# Altium PCB ALCT_MEZ_LX100.PcbDoc (part 6 of 10)
Units mil, origin at the board's own origin, x right, y up, seen from the top; angles counter-clockwise.
Board outline 4100 x 5874.84 mil, 12 copper layers (Top Layer, GND, Mid-Layer 2, +3V3, Mid-Layer 4, +1V2, Mid-Layer 6, +1V8, Mid-Layer 8, +2V5, Mid-Layer 10, Bottom Layer), stack 64.7 mil thick; 544 components, 646 nets, 3089 pads, 1750 vias.
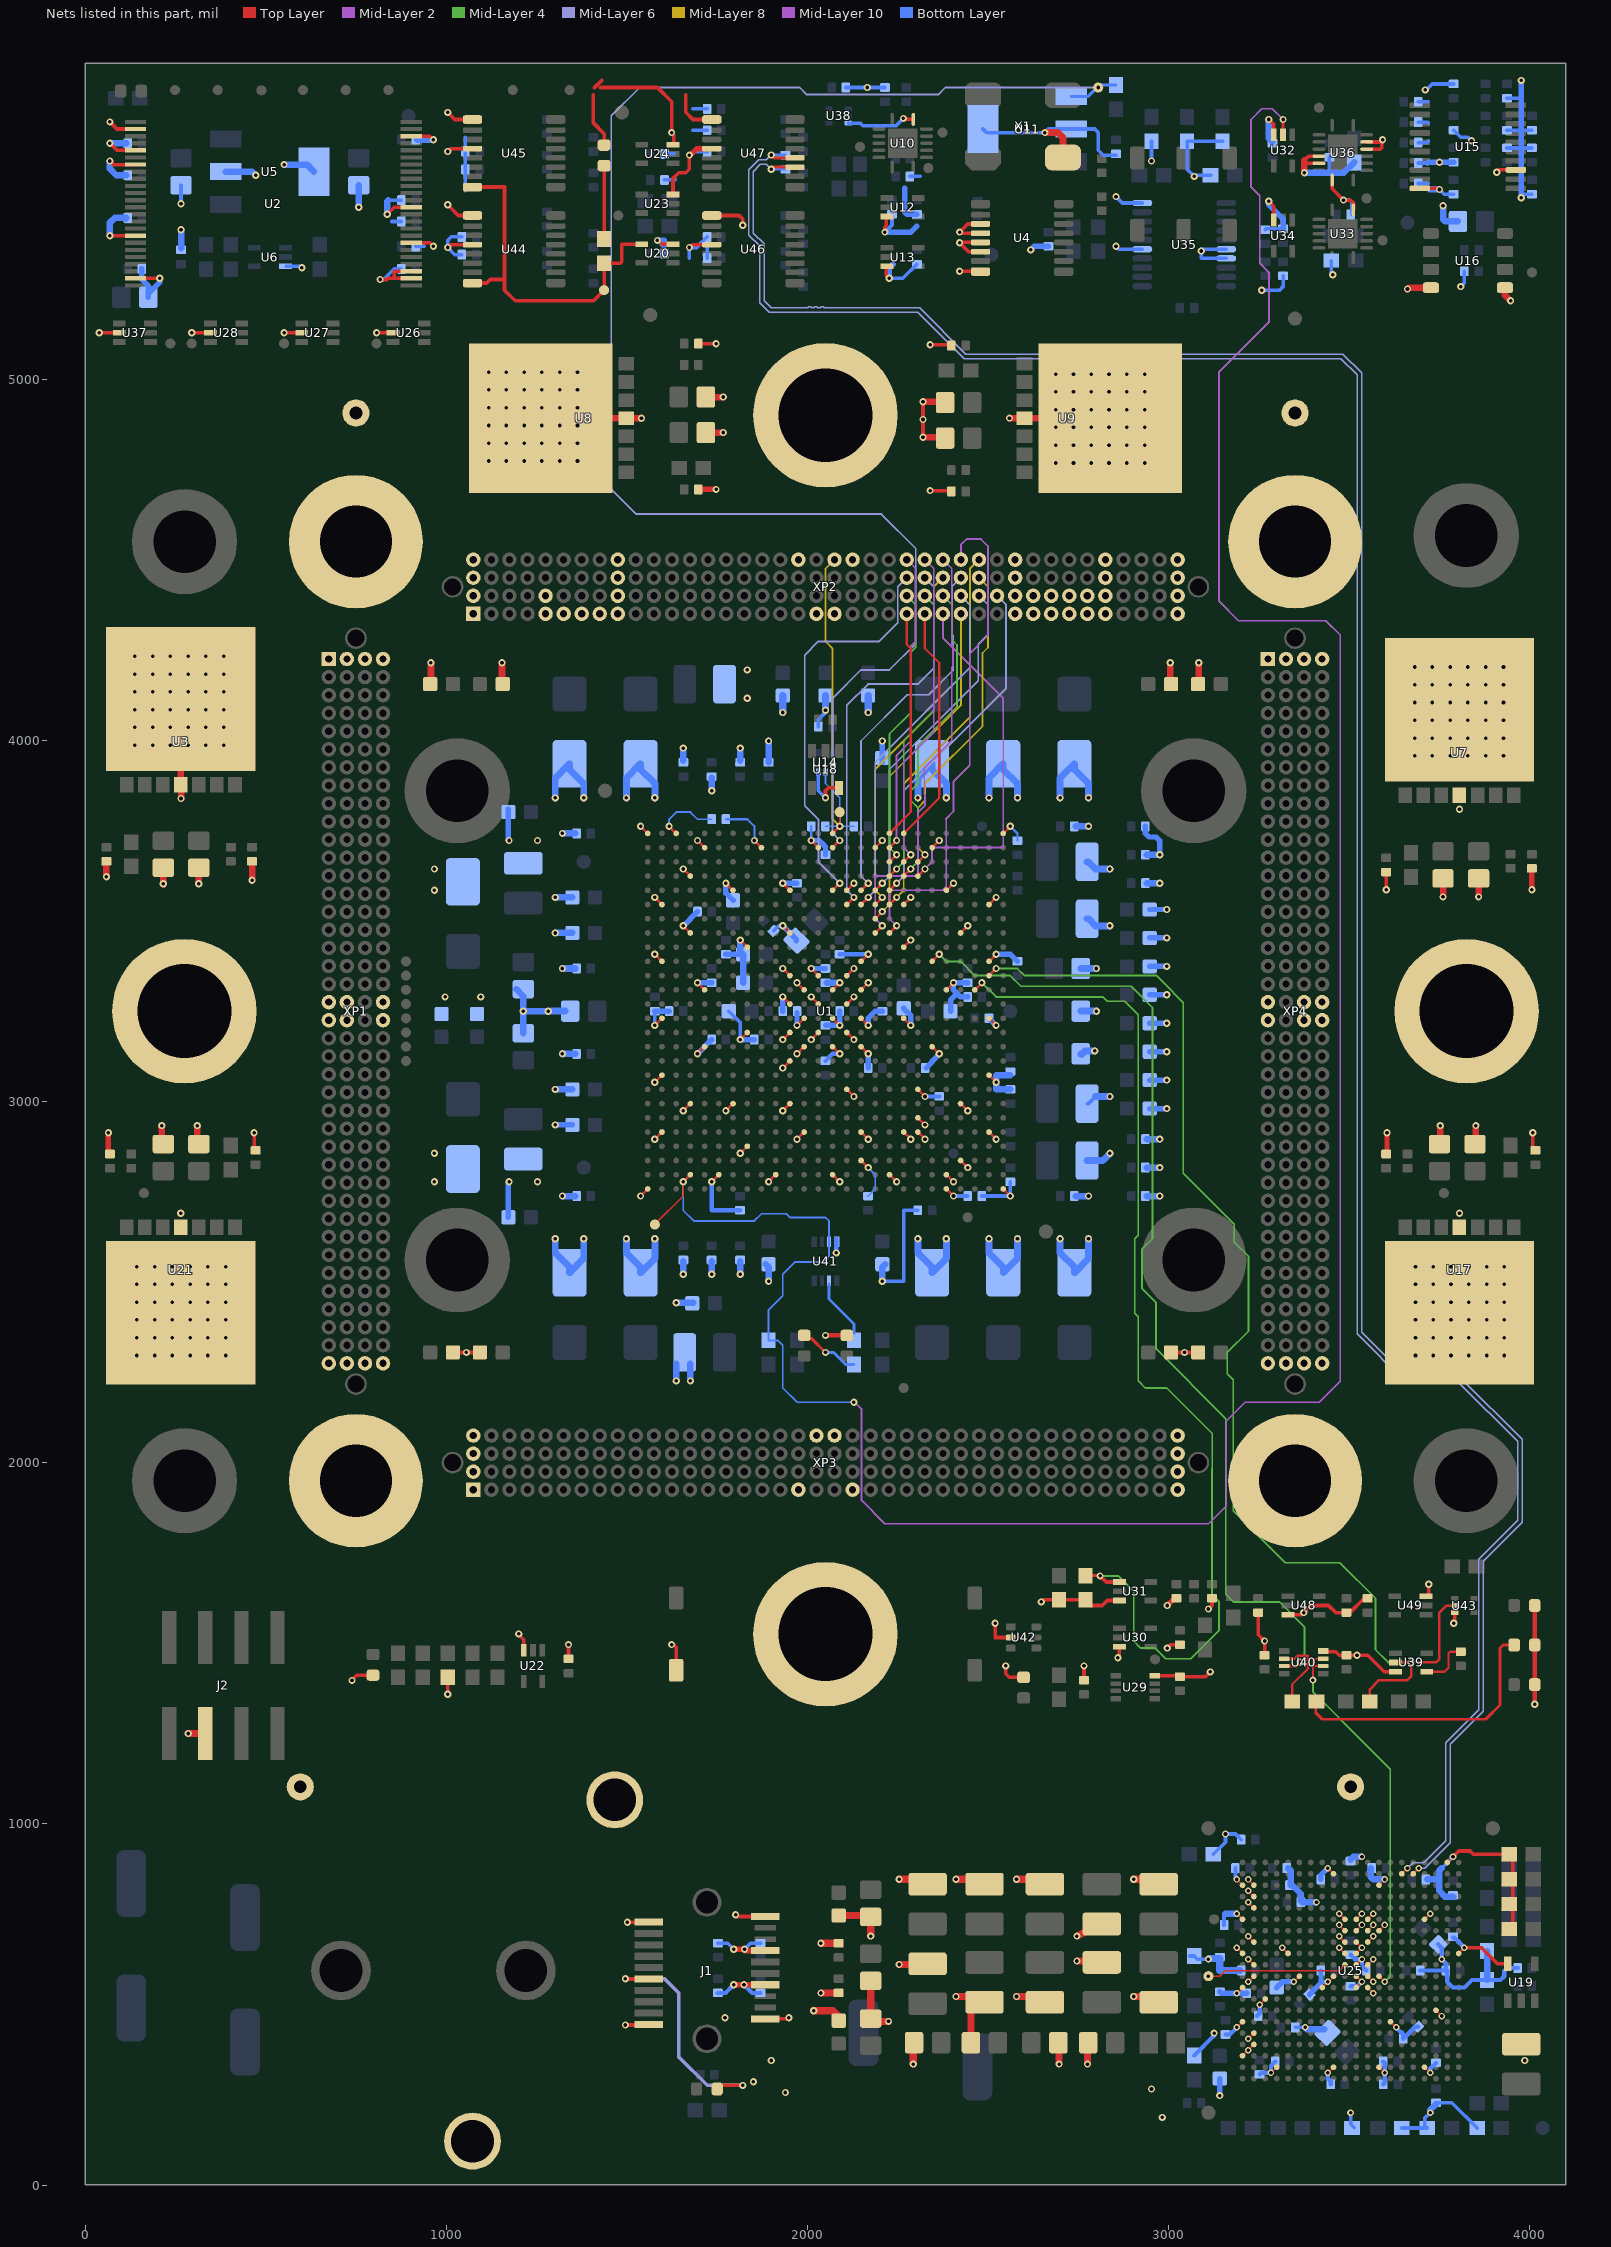
[diagram p16: the nets of this part, all layers, seen from the top]

## Via types
v1: diameter 20, hole 10, Top Layer to Bottom Layer, tented both sides, 1478 vias
v2: diameter 18, hole 10, Top Layer to Bottom Layer, tented both sides, 219 vias
v3: diameter 20, hole 10, Top Layer to Bottom Layer, 38 vias
v4: diameter 40, hole 20, Top Layer to Bottom Layer, 8 vias
v5: diameter 19, hole 10, Top Layer to Bottom Layer, tented both sides, 5 vias
v6: diameter 19, hole 10, Top Layer to Bottom Layer, 1 vias
v7: diameter 18, hole 10, Top Layer to Bottom Layer, 1 vias

## Nets (pads, with @x,y where several pads share a name; then routed paths per layer and width w, separated by ;. In a path a pad name is that pad's centre, name@x,y a point inside that pad or via, vN(x,y) a via of type N, cw(c..) or ccw(c..) an arc to the next point about the centre after c; other vN are vias at no path point) (continued)
gbt_sel_gbt_x\p\r\m\_n: R125.2 U25.B15 U47.4 | length 6875.6
  Top Layer w5: U25.B15@3645.67,861.61 v2(3661.42,877.36)
  Top Layer w8: v1(1899.61,5620.28) 1907.48,5612.4 U47.4@1965.55,5612.4
  Mid-Layer 6 w3.5: v1(1899.61,5620.28) 1886.17,5606.84 1864.9,5606.84 1837.89,5579.83 1837.89,5398.37 1867.42,5368.84 1867.42,5211.56 1894.43,5184.55 2305.81,5184.55 2433.76,5056.59 3477.07,5056.59 3521.97,5011.69 3521.97,2356.22 3656.44,2221.75 3803.82,2221.75 3966.48,2059.09 3966.48,1840.49 3858.27,1732.28 3858.27,1316.34 3767.03,1225.1 3767.03,953.41 3706.23,892.61 3676.67,892.61 v2(3661.42,877.36)
  Bottom Layer w8: v1(1899.61,5620.28) R125.2@1938.98,5620.28
gbt_sel_gbt_x\p\r\m\_p: R125.1 U25.B16 U47.3 | length 6857.8
  Top Layer w5: U25.B16@3677.17,861.61 v2(3692.91,877.36)
  Top Layer w8: v1(1899.61,5580.91) 1905.51,5586.81 U47.3@1965.55,5586.81
  Mid-Layer 6 w3.5: v1(1899.61,5580.91) 1886.17,5594.34 1870.08,5594.34 1850.39,5574.66 1850.39,5403.54 1879.92,5374.02 1879.92,5216.73 1899.61,5197.05 1998.03,5197.05 2002.28,5197.05 2002.28,5200.33 2010.78,5200.33 2010.78,5197.05 2019.28,5197.05 2019.28,5200.33 2027.78,5200.33 2027.78,5197.05 2036.28,5197.05 2036.28,5200.33 2044.78,5200.33 2044.78,5197.05 2175.2,5197.05 2310.98,5197.05 2438.94,5069.09 3482.24,5069.09 3534.47,5016.87 3534.47,2361.4 3661.61,2234.25 3809,2234.25 3978.98,2064.27 3978.98,1835.31 3870.77,1727.11 3870.77,1311.16 3779.53,1219.92 3779.53,948.23 3708.66,877.36 v2(3692.91,877.36)
  Bottom Layer w8: v1(1899.61,5580.91) R125.1@1938.98,5580.91
gbt_testoutput: TOUT.1 U25.K10 | length 391
  Top Layer w4: v1(3110.24,578.15) 3141.73,578.15 3157.48,593.9 3472.44,593.9 U25.K10@3488.19,609.65
gbt_tx_datavalid: R28.1 U1.M24 U31.1 | length 2977.2
  Top Layer w7: U1.M24@2463.39,3309.05 v1(2483.07,3328.74)
  Top Layer w8: R28.1@2769.69,1687.2 v1@2809.53,1687.2
  Top Layer w10: v1@2809.53,1687.2 v1(2810.32,1686.42) 2827.24,1669.49 U31.1@2862.2,1669.49 ; U31.1@2862.2,1672.64 U31.1@2863.46,1672.64
  Mid-Layer 4 w5: v1(2483.07,3328.74) 2522.44,3289.37 2817.85,3289.37 2829.95,3277.28 2879.02,3277.28 2916.14,3240.16 2916.14,2629.92 2906.3,2620.08 2906.3,2413.39 2916.14,2403.54 2916.14,2226.38 2935.83,2206.69 2994.88,2206.69 3121,2080.57 3121,1984.05 3120.08,1983.13 3120.08,1634.06 3139.76,1614.37 3139.76,1535.63 3061.02,1456.89 2992.13,1456.89 2962.6,1486.42 2923.23,1486.42 2903.54,1506.1 2903.54,1643.9 2861.02,1686.42 v1(2810.32,1686.42)
gbt_txrdy: U1.K21 U40.7 | length 2828
  Top Layer w7: U1.K21@2345.28,3387.79 v1(2364.96,3407.48)
  Top Layer w8: U40.7@3311.02,1437.2 3354.33,1437.2 v1(3364.17,1447.05)
  Mid-Layer 4 w5: v1(2364.96,3407.48) 2384.83,3387.61 2424.2,3387.61 2463.39,3348.43 2561.81,3348.43 2591.34,3318.9 2896.46,3318.9 2955.51,3259.84 2955.51,2620.08 2925.98,2590.55 2925.98,2482.28 2965.35,2442.91 2965.35,2314.96 3158.38,2121.94 3158.38,1635.13 3179.13,1614.37 3307.09,1614.37 3375.98,1545.47 3375.98,1458.86 v1(3364.17,1447.05)
gbt_txrdy_anode: D7.A R109.1 | length 755.5
  Top Layer w8: R109.1@3407.48,1328.94 3407.48,1307.28 3425.2,1289.57 3877.95,1289.57 3917.26,1328.88 3917.26,1486.22 3926.08,1495.04 D7.A@3956.69,1495.04
gbt_txrdy_led: R109.2 U40.6 | length 236.6
  Top Layer w6: U40.6@3319.88,1456.89 3347.85,1456.89 3356.51,1465.55 3385.04,1465.55 3385.04,1428.55 3342.52,1386.02 R109.2@3342.52,1338.78
  Top Layer w8: U40.6@3311.02,1456.89 U40.6@3319.88,1456.89 ; R109.2@3340.55,1328.94 3340.55,1340.75 R109.2@3342.52,1338.78
gbt_txrdy_lv: U25.L13 U40.2 U40.3 | length 1069.3
  Top Layer w5: v1(3399.61,1397.83) 3399.61,1437.01 ; U40.2@3428.15,1437.2 3399.8,1437.2 3399.61,1437.01 ; U40.3@3428.15,1456.89 3399.61,1456.89 3399.61,1437.01 ; U25.L13@3582.68,578.15 v2(3598.43,562.4)
  Mid-Layer 4 w4: 3475,1290.16 3614.17,1150.98 3614.17,578.15 v2(3598.43,562.4)
  Mid-Layer 4 w5: v1(3399.61,1397.83) 3399.61,1365.55 3475,1290.16
gbt_widebus: R99.1 U39.4 | length 140.4
  Top Layer w6: U39.4@3714.51,1421.26 3763.72,1421.26 3774.97,1432.51 3774.97,1471.88 3779.47,1476.38 R99.1@3809,1476.38
gbt_widebus_3v3: R98.2 U1.L25 U39.2 U43.2 | length 3354.7
  Top Layer w7: U1.L25@2502.76,3348.42 v1(2522.44,3368.11) ; R98.2@3557.03,1338.58 3557.03,1372.05 3582.62,1397.64 3661.36,1397.64 3671.2,1407.48 v1(3671.2,1446.85) ; U39.2@3627.89,1446.85 v1(3671.2,1446.85) ; U43.2@3792.26,1604.33 3769.63,1604.33 3749.94,1584.65 3749.94,1456.69 3740.1,1446.85 v1(3671.2,1446.85)
  Mid-Layer 4 w5: v1(2522.44,3368.11) 2581.5,3368.11 2601.18,3348.43 2967.19,3348.43 3012.88,3302.73 3012.88,3300.9 3040.65,3273.13 3040.65,2800.69 3181.89,2659.45 3181.89,2610.24 3221.26,2570.87 3221.26,2364.17 3162.2,2305.12 3162.2,2246.06 3179.13,2229.13 3179.13,1866.85 3323.35,1722.64 3474.41,1722.64 3572.83,1624.21 3572.83,1481.79 3607.78,1446.85 v1(3671.2,1446.85)
GND: C1.2 C2.2 C3.2 C4.2 C5.2 C6.2 C7.2 C8.2 C9.2 C10.2 C11.2 C12.2 C13.2 C14.2 C15.2 C16.2 C17.2 C18.2 C19.2 C20.2 C21.2 C22.2 C23.2 C24.2 C25.2 C26.2 C27.2 C28.2 C29.2 C30.2 C31.2 C32.2 C33.2 C34.2 C35.2 C36.2 C37.2 C38.2 C39.2 C40.2 C41.2 C42.2 C43.2 C44.2 C45.2 C46.2 C48.2 C49.2 C50.2 C51.2 C52.2 C53.2 C54.2 C55.2 C56.2 C57.2 C58.2 C59.2 C61.2 C62.2 C63.2 C64.2 C65.2 C66.2 C67.2 C68.2 C69.2 C70.2 C71.2 C72.2 C73.2 C74.2 C75.2 C76.2 C77.2 C78.2 C79.2 C80.2 C81.2 C82.2 C83.2 C84.2 C85.2 C86.2 C87.2 C88.2 C89.2 C90.2 C91.2 C92.2 C93.2 C94.2 C95.2 C96.2 C97.2 C98.2 C99.2 C100.2 C101.2 C102.2 C103.2 C104.2 C105.2 C106.2 C107.2 C108.2 C109.2 C110.2 C111.2 C112.2 C113.2 C114.2 C115.2 C116.2 C117.2 C118.2 C119.2 C120.2 C121.2 C122.2 C123.2 C124.2 C125.2 C126.2 C127.2 C128.2 C129.2 C130.2 C131.2 C132.2 C133.2 C134.2 C135.2 C136.2 C137.2 C138.2 C139.2 C140.2 C141.2 C142.2 C143.2 C144.2 C145.2 C146.2 C147.2 C148.2 C149.2 C150.2 C151.2 C152.2 C153.2 C154.2 C155.2 C156.2 C157.2 C158.2 C159.2 C160.2 C161.2 C162.2 C163.2 C164.2 C165.2 C166.2 C167.2 C168.2 C169.2 C170.2 C171.2 C172.2 C175.2 C176.2 C201.2 C202.2 C203.2 C204.2 C205.2 C211.2 C212.2 C213.2 C214.2 C215.2 C221.2 C222.2 C223.2 C224.2 C225.2 C231.2 C232.2 C233.2 C234.2 C235.2 C241.2 C242.2 C243.2 C244.2 C245.2 C251.2 C252.2 C253.2 C254.2 C255.2 C261.2 C262.2 C263.2 C264.2 C265.2 C266.2 C267.2 C271.2 C272.2 C273.2 C274.2 C275.2 C276.2 C277.2 C301.2 C302.2 C311.2 C312.2 C313.2 C321.2 C322.2 C331.2 C332.2 C341.2 C342.2 C351.2 C361.2 C362.2 C363.2 C364.2 C365.2 C371.2 C372.2 C375.2 C401.2 C411.2 C421.2 C431.2 C441.2 C451.2 C461.2 C471.2 CT1.2 CT2.2 CT3.2 CT4.2 CT5.2 CT6.2 CT7.2 CT8.2 CT9.2 CT10.2 CT11.2 CT12.2 D1.K D2.K D4.K D5.K D6.K D7.K D9.K H1.1 H2.1 H3.1 H4.1 H12.1 H31.1 H34.1 H42.1 J1.1 J1.10 J1.11 J1.14 J1.17 J1.20 J2.3 J7.2 M2.1 M2.2 R5.2 R6.2 R9.2 R12.2 R15.2 R16.2 R21.2 R22.2 R23.2 R27.2 R28.2 R36.2 R38.2 R39.2 R40.2 R42.2 R43.2 R44.1 R48.1 R49.1 R50.1 R51.2 R53.1 R58.1 R60.1 R72.1 R73.2 R74.2 R75.2 R76.2 R77.1 R78.1 R79.2 R85.2 R86.2 R88.2 R90.2 R92.2 R95.2 R103.2 R106.2 R108.2 TPG1.1 TPG2.1 TPG3.1 TPG4.1 U1.A1 U1.A26 U1.AA20 U1.AB2 U1.AB12 U1.AB16 U1.AB19 U1.AB20 U1.AB25 U1.AC8 U1.AD23 U1.AE6 U1.AE10 U1.AE14 U1.AE18 U1.AE22 U1.AF1 U1.AF26 U1.B5 U1.B9 U1.B13 U1.B17 U1.B21 U1.D4 U1.E7 U1.E11 U1.E15 U1.E22 U1.F2 U1.F19 U1.F25 U1.H4 U1.H11 U1.H23 U1.J8 U1.J19 U1.K2 U1.K16 U1.K25 U1.L11 U1.L13 U1.L15 U1.M5 U1.M12 U1.M14 U1.M16 U1.M22 U1.N11 U1.N13 U1.N15 U1.P2 U1.P12 U1.P14 U1.P16 U1.P19 U1.P25 U1.R8 U1.R11 U1.R13 U1.R15 U1.T5 U1.T12 U1.T14 U1.T16 U1.T21 U1.U11 U1.V2 U1.V25 U1.W15 U1.W20 U1.Y4 U1.Y7 U1.Y11 U1.Y23 U2.2 U2.5 U2.7 U2.17 U2.23 U2.26 U2.27 U2.31 U2.36 U2.46 U3.4 U3.8 U4.3 U4.4 U4.5 U4.6 U4.8 U5.1 U5.4 U6.3 U7.4 U7.8 U8.4 U8.8 U9.4 U9.8 U10.7 U11.1 U11.4 U12.3 U13.3 U14.3 U15.10 U15.13 U16.4 U16.5 U17.4 U17.8 U18.5 U19.5 U20.3 U21.4 U21.8 U22.3 U23.3 U24.3 U25.A19 U25.B9 U25.C1 U25.C2 U25.C13 U25.D2 U25.E2 U25.F1 U25.F10 U25.F11 U25.F12 U25.F17 U25.G10 U25.G11 U25.G12 U25.G13 U25.H2 U25.H10 U25.H11 U25.H12 U25.J1 U25.J5 U25.J10 U25.J11 U25.J20 U25.K2 U25.K11 U25.K12 U25.L2 U25.L6 U25.L9 U25.L11 U25.L12 U25.M1 U25.M8 U25.M11 U25.M12 U25.N3 U25.P18 U25.R1 U25.R14 U25.T2 U25.U2 U25.V1 U25.W4 U25.W9 U25.W13 U25.W17 U26.2 U27.2 U28.2 U29.4 U30.3 U31.3 U32.3 U33.7 U34.3 U35.6 U35.7 U35.15 U35.20 U36.5 U36.6 U36.8 U36.13 U36.14 U37.2 U38.3 U39.3 U40.4 U41.4 U42.2 U43.3 U44.9 U44.12 U45.9 U45.12 U46.9 U46.12 U47.9 U47.12 U48.3 U49.3 X1.2 XP1.A1 XP1.A20 XP1.A21 XP1.A40 XP1.B1 XP1.B20 XP1.B21 XP1.B40 XP1.C1 XP1.C40 XP1.D1 XP1.D20 XP1.D21 XP1.D40 XP2.A1 XP2.A5 XP2.A6 XP2.A7 XP2.A8 XP2.A9 XP2.A20 XP2.A21 XP2.A31 XP2.A32 XP2.A33 XP2.A34 XP2.A35 XP2.A36 XP2.A40 XP2.B1 XP2.B5 XP2.B9 XP2.B31 XP2.B32 XP2.B33 XP2.B34 XP2.B35 XP2.B36 XP2.B40 XP2.C1 XP2.C9 XP2.C31 XP2.C36 XP2.C40 XP2.D1 XP2.D9 XP2.D19 XP2.D22 XP2.D31 XP2.D36 XP2.D40 XP3.A1 XP3.A19 XP3.A22 XP3.A40 XP3.B1 XP3.B40 XP3.C1 XP3.C40 XP3.D1 XP3.D20 XP3.D21 XP3.D40 XP4.A1 XP4.A20 XP4.A21 XP4.A40 XP4.B1 XP4.B40 XP4.C1 XP4.C20 XP4.C21 XP4.C40 XP4.D1 XP4.D20 XP4.D21 XP4.D40 | length 29432
  Top Layer w5: v2(3188.98,436.42) U25.R1@3204.72,452.17 ; v2(3188.98,530.91) U25.M1@3204.72,546.65 ; v2(3188.98,656.89) U25.J1@3204.72,641.14 ; v2(3188.98,751.38) U25.F1@3204.72,735.63 ; v2(3188.98,845.87) U25.C1@3204.72,830.12 ; U25.V1@3204.72,357.68 v2(3220.47,373.43) U25.U2@3236.22,389.17 ; v2(3220.47,404.92) U25.T2@3236.22,420.67 ; v2(3220.47,562.4) U25.L2@3236.22,578.15 ; v2(3220.47,625.39) U25.K2@3236.22,609.65 ; v2(3220.47,688.39) U25.H2@3236.22,672.64 ; v2(3220.47,782.87) U25.E2@3236.22,767.13 ; v2(3220.47,814.37) U25.D2@3236.22,798.62 ; v2(3220.47,845.87) U25.C2@3236.22,830.12 ; v2(3251.97,499.41) U25.N3@3267.72,515.16 ; v2(3283.46,310.43) U25.W4@3299.21,326.18 ; v2(3314.96,656.89) U25.J5@3330.71,641.14 ; v2(3346.46,562.4) U25.L6@3362.2,578.15 ; U25.M8@3425.2,546.65 U25.L9@3456.69,578.15 ; v2(3440.95,310.43) U25.W9@3456.69,326.18 ; v2(3440.95,877.36) U25.B9@3456.69,861.61 ; v2(3472.44,656.89) U25.J10@3488.19,641.14 ; v2(3472.44,688.39) U25.H10@3488.19,672.64 ; v2(3472.44,719.88) U25.G10@3488.19,704.13 ; v2(3472.44,751.38) U25.F10@3488.19,735.63 ; U25.M11@3519.69,546.65 v2(3535.43,562.4) U25.L11@3519.69,578.15 ; U25.K11@3519.69,609.65 v2(3535.43,625.39) ; U25.J11@3519.69,641.14 v2(3535.43,656.89) U25.H11@3519.69,672.64 ; U25.G11@3519.69,704.13 v2(3535.43,719.88) ; U25.F11@3519.69,735.63 v2(3535.43,751.38) ; U25.M12@3551.18,546.65 v2(3566.93,530.91) ; U25.L12@3551.18,578.15 v2(3566.93,562.4) ; U25.K12@3551.18,609.65 v2(3566.93,625.39) ; U25.H12@3551.18,672.64 v2(3566.93,688.39) ; U25.G12@3551.18,704.13 v2(3566.93,719.88) ; U25.F12@3551.18,735.63 v2(3566.93,751.38) ; U25.W13@3582.68,326.18 v2(3598.43,310.43) ; U25.G13@3582.68,704.13 v2(3598.43,719.88) ; U25.C13@3582.68,830.12 v2(3598.43,845.87) ; U25.R14@3614.17,452.17 v2(3629.92,436.42) ; U25.W17@3708.66,326.18 v2(3724.41,310.43) ; U25.F17@3708.66,735.63 v2(3724.41,751.38) ; U25.P18@3740.16,483.66 v2(3755.91,467.91) ; U25.J20@3803.15,641.14 v2(3818.9,656.89) ; U25.A19@3771.65,893.11 v2(3787.4,908.86) U25.A19@3771.65,893.11
  Top Layer w7: v1(1538.19,2738.19) U1.AF1@1557.87,2757.87 ; v1(1538.19,3761.81) U1.A1@1557.87,3742.13 ; v1(1577.56,2895.67) U1.AB2@1597.24,2915.35 ; v1(1577.56,3053.15) U1.V2@1597.24,3072.83 ; v1(1577.56,3210.63) U1.P2@1597.24,3230.31 ; v1(1577.56,3407.48) U1.K2@1597.24,3387.79 ; v1(1577.56,3564.96) U1.F2@1597.24,3545.28 ; v1(1656.3,2974.41) U1.Y4@1675.98,2994.09 ; v1(1656.3,3486.22) U1.H4@1675.98,3466.54 ; v1(1656.3,3643.7) U1.D4@1675.98,3624.02 ; v1(1695.67,3131.89) U1.T5@1715.35,3151.57 ; v1(1695.67,3328.74) U1.M5@1715.35,3309.05 ; v1(1695.67,3722.44) U1.B5@1715.35,3702.76 ; v1(1735.04,2777.56) U1.AE6@1754.72,2797.24 ; v1(1774.41,2974.41) U1.Y7@1794.09,2994.09 ; v1(1774.41,3604.33) U1.E7@1794.09,3584.65 ; v1(1813.78,2856.3) U1.AC8@1833.46,2875.98 ; v1(1813.78,3171.26) U1.R8@1833.46,3190.94 ; v1(1813.78,3446.85) U1.J8@1833.46,3427.16 ; v1(1853.15,3722.44) U1.B9@1872.83,3702.76 ; v1(1892.52,2777.56) U1.AE10@1912.2,2797.24 ; v1(1931.89,2974.41) U1.Y11@1951.57,2994.09 ; v1(1931.89,3092.52) U1.U11@1951.57,3112.2 ; v1(1931.89,3171.26) U1.R11@1951.57,3190.94 ; v1(1931.89,3289.37) U1.N11@1951.57,3269.68 ; v1(1931.89,3368.11) U1.L11@1951.57,3348.42 ; v1(1931.89,3486.22) U1.H11@1951.57,3466.54 ; v1(1931.89,3604.33) U1.E11@1951.57,3584.65 ; v1(1971.26,2895.67) U1.AB12@1990.94,2915.35 ; v1(1971.26,3131.89) U1.T12@1990.94,3151.57 ; v1(1971.26,3210.63) U1.P12@1990.94,3230.31 ; v1(1971.26,3328.74) U1.M12@1990.94,3309.05 ; v1(2010.63,3171.26) U1.R13@2030.31,3190.94 ; v1(2010.63,3289.37) U1.N13@2030.31,3269.68 ; v1(2010.63,3368.11) U1.L13@2030.31,3348.42 ; v1(2010.63,3722.44) U1.B13@2030.31,3702.76 ; U1.AE14@2069.68,2797.24 v3(2089.37,2777.56) ; U1.T14@2069.68,3151.57 v1(2089.37,3131.89) ; U1.P14@2069.68,3230.31 v1(2089.37,3210.63) ; U1.M14@2069.68,3309.05 v1(2089.37,3328.74) ; U1.W15@2109.05,3033.46 v1(2128.74,3013.78) ; U1.R15@2109.05,3190.94 v1(2128.74,3171.26) ; U1.N15@2109.05,3269.68 v1(2128.74,3289.37) ; U1.L15@2109.05,3348.42 v1(2128.74,3368.11) ; U1.E15@2109.05,3584.65 v1(2128.74,3604.33) ; U1.AB16@2148.43,2915.35 v1(2168.11,2895.67) ; U1.T16@2148.43,3151.57 v1(2168.11,3131.89) ; U1.P16@2148.43,3230.31 v1(2168.11,3210.63) ; U1.M16@2148.43,3309.05 v1(2168.11,3328.74) ; U1.K16@2148.43,3387.79 v1(2168.11,3407.48) ; U1.B17@2187.8,3702.76 v1(2207.48,3722.44) ; U1.AE18@2227.17,2797.24 v1(2246.85,2777.56) ; U1.AB19@2266.54,2915.35 v1(2286.22,2895.67) ; U1.P19@2266.54,3230.31 v1(2286.22,3210.63) ; U1.J19@2266.54,3427.16 v1(2286.22,3446.85) ; U1.F19@2266.54,3545.28 v1(2286.22,3564.96) ; U1.AB20@2305.91,2915.35 v1(2325.59,2895.67) ; U1.AA20@2305.91,2954.72 v1(2325.59,2935.04) ; U1.W20@2305.91,3033.46 v1(2325.59,3013.78) ; U1.T21@2345.28,3151.57 v1(2364.96,3131.89) ; U1.B21@2345.28,3702.76 v1(2364.96,3722.44) ; U1.AE22@2384.65,2797.24 v1(2404.33,2777.56) ; U1.M22@2384.65,3309.05 v1(2404.33,3328.74) ; U1.E22@2384.65,3584.65 v1(2404.33,3604.33) ; U1.AD23@2424.02,2836.61 v1(2443.7,2816.93) ; U1.Y23@2424.02,2994.09 v1(2443.7,2974.41) ; U1.H23@2424.02,3466.54 v1(2443.7,3486.22) ; U1.AB25@2502.76,2915.35 v1(2522.44,2895.67) ; U1.V25@2502.76,3072.83 v1(2522.44,3053.15) ; U1.P25@2502.76,3230.31 v1(2522.44,3210.63) ; U1.K25@2502.76,3387.79 v1(2522.44,3407.48) ; U1.F25@2502.76,3545.28 v1(2522.44,3564.96) ; U1.AF26@2542.13,2757.87 v1(2561.81,2738.19) ; U1.A26@2542.13,3742.13 v1(2561.81,3761.81)
  Top Layer w10: v1(39.37,5128.15) U37.2@94.49,5128.15 ; v1(68.9,5397.05) U2.17@139.76,5397.05 ; v1(68.9,5603.74) 78.74,5593.9 U2.7@139.76,5593.9 ; v1(68.9,5652.95) 88.58,5633.27 U2.5@139.76,5633.27 ; v1(68.9,5712.01) 88.58,5692.32 U2.2@139.76,5692.32 ; U2.23@139.76,5278.94 v1(206.69,5278.94) ; v1(216.54,3602.56) 216.54,3599.02 v1@219.69,3595.87 ; C3.2@216.54,3643.9 C3.2@219.69,3647.05 ; v1(295.28,5128.15) U28.2@347.11,5128.15 ; C2.2@314.96,3643.9 C2.2@318.11,3647.05 ; C161.2@468.11,2868.31 v1(468.11,2913.58) ; v1(551.18,5128.15) U27.2@599.74,5128.15 ; v1@738.19,1397.83 751.97,1411.61 D4.K@797.25,1411.61 ; v1(807.09,5128.15) U26.2@852.36,5128.15 ; v1(816.93,5275.79) 835.04,5275.79 838.19,5278.94 856.3,5278.94 ; v1(836.61,5456.1) 856.3,5475.79 U2.36@903.54,5475.79 ; U2.26@903.54,5278.94 856.3,5278.94 ; U2.27@903.54,5298.62 856.3,5298.62 856.3,5278.94 ; U2.31@903.54,5377.36 954.72,5377.36 v1(964.57,5367.52) ; U2.46@903.54,5672.64 954.72,5672.64 v1(964.57,5662.8) ; v1(1003.94,1358.46) R73.2@1003.94,1405.71 ; v3(1003.94,5364.37) 1011.81,5372.24 U44.12@1072.83,5372.24 ; v3(1003.94,5482.48) 1033.46,5452.95 U44.9@1072.83,5452.95 ; v3(1003.94,5630.12) 1011.81,5637.99 U45.12@1072.83,5637.99 ; v3(1003.94,5738.39) 1023.62,5718.7 U45.9@1072.83,5718.7 ; v1(1200.79,1525.79) 1200.79,1523.82 1214.57,1510.04 U22.3@1214.57,1480.51 ; C162.2@1338.58,1456.89 v1(1338.58,1496.26) ; 1407.48,5787.6 1407.48,5708.86 1437.01,5679.33 D6.K@1437.01,5647.83 ; 1410.63,5807.09 1430.31,5826.77 ; 1427.17,5807.28 1584.65,5807.28 1624.02,5767.91 v1(1624.02,5682.48) 1629.92,5676.57 U24.3@1629.92,5649.02 ; v1(1496.06,443.11) 1559.45,443.11 J1.10@1560.63,444.29 ; v1(1501.57,727.76) J1.1@1560.63,727.76 ; v1(1584.65,5384.06) 1587.8,5384.06 1598.43,5373.43 U20.3@1627.95,5373.43 U20.3@1629.92,5373.43 ; v3(1624.02,1496.26) 1629.53,1496.26 1636.61,1489.17 J7.2@1636.61,1425 ; U23.3@1627.95,5511.22 1627.95,5555.32 1643.7,5571.06 1663.39,5571.06 1673.23,5580.91 v1(1673.23,5620.27) ; 1663.38,5787.59 1663.38,5738.39 1683.07,5718.7 U47.9@1735.24,5718.7 ; v3(1673.23,5364.36) 1681.11,5372.24 U46.12@1735.24,5372.24 ; R9.2@1698.03,5098.03 v1(1747.24,5098.03) ; U46.9@1735.24,5452.95 1810.8,5452.95 1820.64,5443.11 v3(1820.64,5425.86) ; v1(1801.18,748.23) 1805.91,743.5 J1.20@1883.46,743.5 ; v1@1820.47,652.95 v1@1824.41,649.02 ; J1.11@1883.46,460.04 1946.06,460.04 v1(1948.82,462.8) ; v1(2050,3840.55) 2050,3860.24 2057.87,3868.11 U18.5@2087.4,3868.11 ; v1(2214.57,5406.89) 2214.57,5420.67 2218.5,5424.61 U12.3@2218.5,5450.2 ; U13.3@2218.5,5312.4 2218.5,5286.81 v1(2226.38,5278.94) ; v1(2265.75,5721.85) 2268.7,5718.9 U10.7@2293.31,5718.9 ; v1(2320.08,4838.98) v1(2320.08,4888.19) v1(2320.08,4937.4) ; v1(2339.76,4691.34) R12.2@2392.91,4691.34 ; v1(2339.76,5094.88) 2385.04,5094.88 ; v1(2421.26,5298.62) 2478.35,5298.62 U4.8@2479.33,5297.64 ; U4.6@2479.33,5352.76 2445.87,5352.76 v1(2421.26,5377.36) 2422.24,5378.35 U4.5@2479.33,5378.35 ; U4.4@2479.33,5403.94 2424.21,5403.94 v1(2421.26,5406.89) 2443.9,5429.53 U4.3@2479.33,5429.53 ; v3(2519.69,1555.32) 2519.69,1515.95 U42.2@2562.99,1515.95 ; v3(2549.21,1437.2) 2549.21,1415.55 2559.06,1405.71 D1.K@2598.43,1405.71 ; v3(2647.64,1614.37) 2653.54,1620.28 R75.2@2696.85,1620.28 R28.2@2769.69,1620.28 2785.43,1604.53 2816.47,1604.53 2830.25,1618.31 U31.3@2864.17,1618.31 ; C28.2@2765.75,1397.83 v1(2765.75,1437.2) ; v1(2859.53,1460.04) 2863.46,1463.98 U30.3@2863.46,1489.65 ; U30.3@2863.46,1493.5 U30.3@2863.46,1489.65 ; U30.3@2864.17,1490.35 U30.3@2863.46,1489.65 ; U29.4@2961.61,1409.65 3029.53,1409.65 C27.2@3031.5,1407.68 3102.44,1407.68 v1(3115.43,1420.67) ; v1(2996.06,1486.42) 3005.91,1496.26 C81.2@3025.59,1496.26 ; v1(3110.24,1594.69) 3120.08,1604.53 R27.2@3120.08,1624.21 ; C66.2@3248.03,1584.84 3248.03,1523.82 v1(3265.75,1506.1) C166.2@3265.75,1466.73 ; v1(3277.56,5492.32) 3291.34,5478.54 U34.3@3291.34,5442.32 ; v1(3277.56,5718.7) 3291.34,5704.92 U32.3@3291.34,5678.54 ; U48.3@3330.71,1578.94 3368.11,1578.94 v1(3374.02,1584.84) 3393.7,1604.53 3442.91,1604.53 3462.6,1584.84 C168.2@3492.13,1584.84 3501.97,1584.84 3541.34,1624.21 C167.2@3551.18,1624.21 ; 3375.98,5594.09 3379.33,5597.44 U36.6@3416.34,5597.44 ; 3375.98,5605.61 3387.5,5617.13 U36.5@3416.34,5617.13 ; U40.4@3437.01,1476.57 3462.6,1476.57 3472.44,1466.73 C165.2@3492.13,1466.73 v1(3521.65,1466.73) 3551.18,1466.73 3596.65,1421.26 U39.3@3627.89,1421.26 ; U36.8@3452.76,5551.18 3452.76,5526.97 v1(3484.25,5495.47) 3503.94,5495.47 3511.81,5487.6 U33.7@3511.81,5468.5 ; U36.13@3548.23,5636.81 3586.22,5636.81 3590.2,5640.8 v1@3590.2,5660.48 ; U36.14@3548.23,5656.5 3586.22,5656.5 v1@3590.2,5660.48 ; v1(3592.52,5662.8) v1@3590.2,5660.48 ; v1(3602.36,3586.02) C6.2@3602.36,3631.3 ; U15.10@3695.87,5527.95 3747.05,5527.95 v1(3750,5525) ; U49.3@3714.57,1630.12 U49.3@3712.6,1630.12 3720.41,1637.93 v1(3720.41,1663.39) ; v2(3787.4,908.86) 3803.15,924.61 3834.65,924.61 3843.7,915.55 R79.2@3942.91,915.55 ; v1(3789.31,1555.12) 3792.26,1558.07 U43.3@3792.26,1584.65 ; v2(3818.9,656.89) 3866.14,656.89 3910.63,612.4 U19.5@3938.98,612.4 ; v1(3908.83,5572.42) 3915.55,5579.13 U15.13@3961.61,5579.13 ; R76.2@3952.76,708.86 3952.76,846.65 R79.2@3952.76,915.55 ; C158.2@4008.27,2868.31 v1(4008.27,2913.58)
  Top Layer w12: C124.2@1018.5,2305.12 v3(1055.91,2305.12) C125.2@1093.31,2305.12 ; v1(1824.41,554.53) J1.14@1883.46,554.53 ; v1(2050,2352.36) D2.K@2109.06,2352.36 ; C136.2@3006.69,2305.12 v3(3044.09,2305.12) C144.2@3081.5,2305.12 ; D9.K@4013.78,1604.53 D7.K@4013.78,1495.04 D5.K@4013.78,1385.55 v3(4013.78,1330.91) v3@4015.75,1328.94
  Top Layer w15: R106.2@64.57,2854.53 v1(64.57,2913.58) ; v1(1673.23,5620.27) 1676.22,5620.27 1693.95,5637.99 U47.12@1735.24,5637.99 ; C9.2@1701.18,4694.49 v1(1747.24,4694.49) ; v1(1796.26,554.53) v1(1824.41,554.53) J1.14@1883.46,554.53 ; v1(1796.26,652.95) 1820.47,652.95 v1(1825.79,652.95) 1829.72,649.02 J1.17@1883.46,649.02 ; v1(2996.06,1604.53) C85.2@3015.75,1624.21 ; R103.2@3604.72,2854.53 v1(3604.72,2913.58) ; v1(4005.91,3586.02) R6.2@4005.91,3645.08